# Altium PCB PLC1.PcbDoc (part 2 of 4)
Units mm, origin at the board's own origin, x right, y up, seen from the top; angles counter-clockwise.
Board outline 175 x 81 mm, 2 copper layers (Top Layer, Bottom Layer), stack 1.471 mm thick; 331 components, 300 nets, 1273 pads, 660 vias.
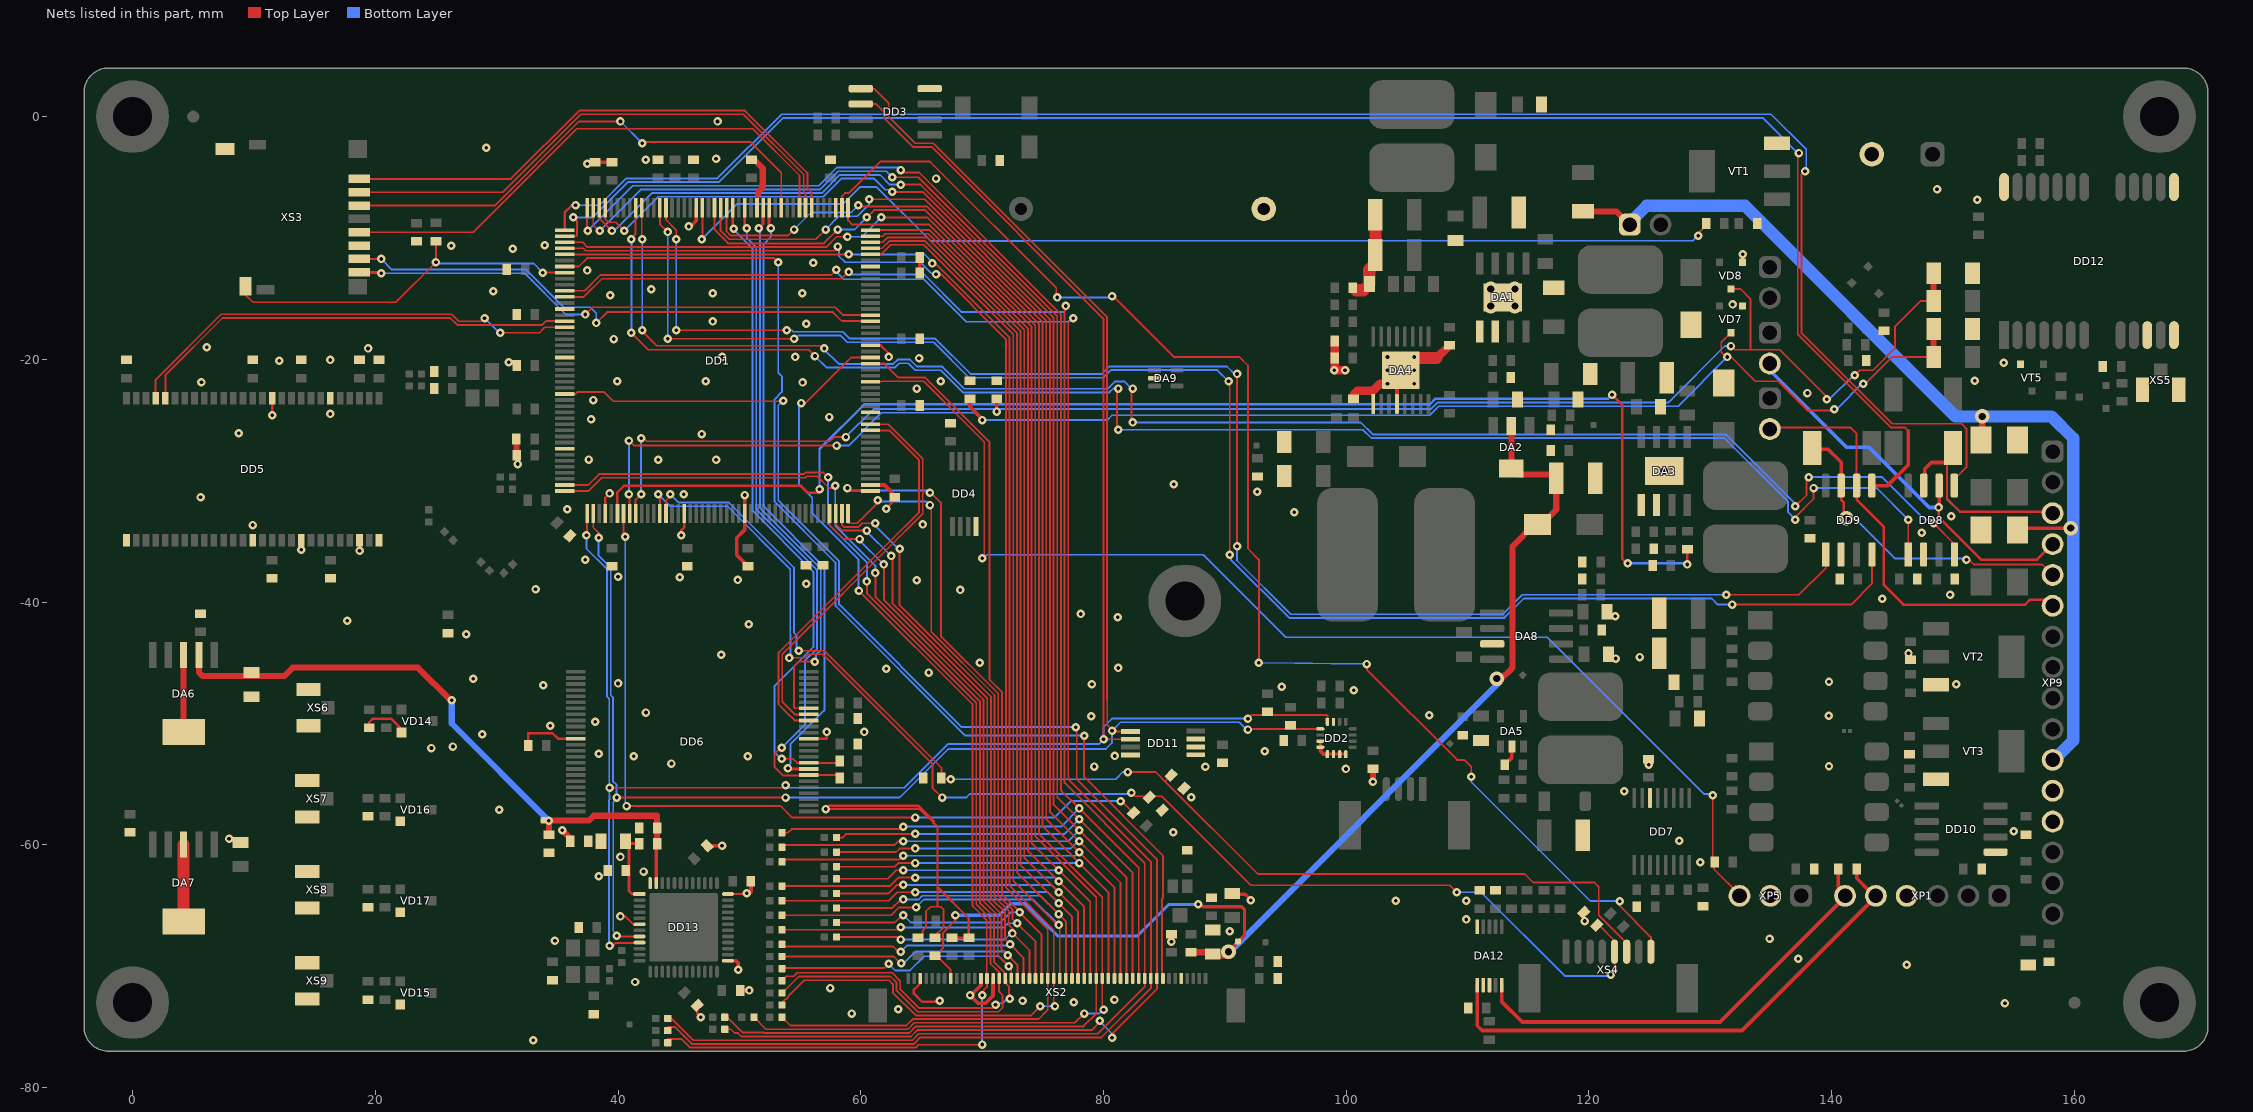
[diagram p2: the nets of this part, all layers, seen from the top]

## Via types
v1: diameter 0.7, hole 0.3, Top Layer to Bottom Layer, tented both sides, 643 vias
v2: diameter 1.2, hole 0.6, Top Layer to Bottom Layer, tented both sides, 16 vias
v3: diameter 0.7, hole 0.3, Top Layer to Bottom Layer, tented top, 1 vias

## Nets (pads, with @x,y where several pads share a name; then routed paths per layer and width w, separated by ;. In a path a pad name is that pad's centre, name@x,y a point inside that pad or via, vN(x,y) a via of type N, cw(c..) or ccw(c..) an arc to the next point about the centre after c; other vN are vias at no path point)
1W_TEMP: DD1.107 R48.2 XP5.3 | length 99.7
  Top Layer w0.15: DD1.107@60.8,-21.85 61.65,-21.85 61.7,-21.8 62.972,-21.8 62.975,-21.802 65.175,-21.802 70.177,-26.805 70.177,-36.323 70,-36.5 v1(70,-36.4) ; R48.2@130.3,-61.6 130.3,-62 132.5,-64.2 132.2,-64.2 XP5.3@132.3,-64.1 ; v1@130.3,-56 v1(130.2,-55.9) 130.2,-61.25 R48.2@130.35,-61.4
  Bottom Layer w0.15: v1(70,-36.4) 70,-36.5 70.4,-36.1 88.2,-36.1 95,-42.9 116.572,-42.9 129.472,-55.8 130.1,-55.8 v1(130.2,-55.9)
+24V: FU1.1 VD10.2 VD12.2 XP8.1 XP9.11 | length 83.2
  Top Layer w0.3: VD12.2@155.3,-34.05 155.45,-33.9 v2(159.7,-33.9)
  Top Layer w0.5: FU1.1@119.5,-7.8 122.26,-7.8 XP8.1@123.36,-8.9 ; VD10.2@152.3,-26.65 152.4,-26.55 v2(152.4,-24.7)
  Bottom Layer w0.5: XP8.1@123.36,-8.9 XP8.1@123.36,-8.74 ; XP9.11@158.2,-53 XP9.11@158.3,-53
  Bottom Layer w1: XP8.1@123.36,-8.74 124.752,-7.348 132.848,-7.348 150.2,-24.7 v2(152.4,-24.7) 158.1,-24.7 159.9,-26.5 159.9,-51.4 XP9.11@158.3,-53
ADC12_IN6: C108.2 DD1.52 R66.1 R69.2 VD7.3 | length 128.4
  Top Layer w0.15: v1(40.9,-31.1) 40.95,-31.15 DD1.52@40.95,-32.7 ; v1(40.9,-26.7) 41.293,-27.093 57.993,-27.093 v1(58,-27.1) ; VD7.3@131.7,-17.8 130.9,-18.6 130.9,-19.4 131.3,-19.8 v1(131.4,-19.8) 131.702,-19.8 133.702,-21.8 135.6,-21.8 138,-24.2 140,-24.2 v1@140.2,-24 ; v1(140.2,-24.1) v1@140.4,-24.1 ; v1(142.6,-22) 142.6,-21.9 142.9,-21.9 145,-19.8 R69.2@148.4,-19.8
  Top Layer w0.3: C108.2@69,-23.25 69,-23.9 70.1,-25 v1(70,-25)
  Top Layer w0.5: R69.2@148.4,-19.8 R66.1@148.4,-17.5
  Bottom Layer w0.15: v1(40.9,-31.1) v1@40.9,-26.8 ; v1(58,-27.1) 59,-27.1 61.7,-24.4 69.4,-24.4 v1(70,-25) 80.3,-25 80.7,-24.6 106.881,-24.6 107.622,-23.86 127.34,-23.86 v1(131.4,-19.8) ; v1(140.2,-24.1) 140.4,-24.1 142.6,-21.9 v1(142.6,-22)
ADC12_IN7: C109.2 DD1.53 R65.1 R67.2 VD8.3 | length 132.4
  Top Layer w0.15: DD1.53@41.45,-32.7 41.45,-31.55 v1(41.9,-31.1) ; v1(41.9,-26.5) 42.102,-26.5 42.352,-26.75 57.45,-26.75 57.8,-26.4 v1(58.777,-26.4) ; v1(131.7,-18.9) 132,-19.2 133.3,-19.2 ; VD8.3@131.7,-14.2 132.5,-14.2 133.3,-15 133.3,-19.2 ; v1(139.6,-23.3) 139.8,-23.3 135.7,-19.2 133.3,-19.2 ; v1(141.9,-21.3) 142.3,-20.9 143.4,-20.9 145.2,-19.1 145.2,-17.3 147.3,-15.2 R67.2@148.4,-15.2
  Top Layer w0.3: v1(71.2,-24.3) C109.2@71.2,-23.25
  Top Layer w0.5: R67.2@148.4,-15.2 R65.1@148.4,-12.9
  Bottom Layer w0.15: v1(41.9,-31.1) v1(41.9,-26.5) ; v1(58.777,-26.4) 58.777,-26.38 61.06,-24.098 69.825,-24.098 69.828,-24.1 106.954,-24.1 107.496,-23.557 126.543,-23.557 131.2,-18.9 v1(131.7,-18.9) ; v1(139.6,-23.3) 139.8,-23.3 141.8,-21.3 v1(141.9,-21.3)
AUD+: DA12.10 R99.2 XP1.6 | length 37.1
  Top Layer w0.3: DA12.10@112.8,-71.55 112.8,-72.9 114.5,-74.6 130.8,-74.6 141.1,-64.3 XP1.6@141.1,-64.2 140.55,-63.65 R99.2@140.55,-62
AUD-: DA12.6 R99.1 XP1.5 | length 43.9
  Top Layer w0.3: DA12.6@110.8,-71.55 110.8,-74.9 111.2,-75.3 132.6,-75.3 143.64,-64.26 143.18,-63.8 143.1,-63.8 142.05,-62.75 R99.1@142.05,-62
AUDIO_OUT: C116.2 DD1.51 | length 67.3
  Top Layer w0.15: DD1.51@40.45,-32.7 40.45,-34.35 v1(40.6,-34.6) ; v1(40.7,-56.8) 53.4,-56.8 54.35,-57.75 v1(64.5,-57.75) ; v1(81.4,-56.4) 81.5,-56.4 C116.2@82.5,-57.4
  Bottom Layer w0.15: v1(40.6,-34.6) 40.6,-56.7 v1(40.7,-56.8) ; v1(64.5,-57.75) 75.95,-57.75 77.3,-56.4 v1(81.4,-56.4)
AVDAD: C64.2 C124.1 DD13.1 L9.1 | length 5.7
  Top Layer w0.254: DD13.1@41.75,-64.05 41.15,-64.05 40.9,-63.8 40.9,-59.9 L9.1@41.75,-59.9
AVDD_DISP: 10,4V.1 C32.2 C34.2 C73.1 DA2.2 DA2.4 R3.1 R17.1 VD5.2 XS2.43 | length 98.3
  Top Layer w0.15: C73.1@66.1,-69.15 66.777,-68.473 66.777,-67.248 67.8,-66.225 v1(67.8,-65.8) ; C73.1@66.2,-69.15 66.25,-69.15 67.4,-70.3 XS2.43@67.4,-71
  Top Layer w0.25: v1(87.8,-64.9) 88,-64.9 88.2,-65.1 91.4,-65.1 91.6,-65.3 91.6,-67.5 v2(90.3,-68.8)
  Top Layer w0.3: C34.2@89,-69.2 90.3,-69.2 v2(90.3,-68.8)
  Top Layer w0.5: R17.1@87.2,-68.85 88.85,-68.85 C34.2@89,-69 ; v2@112.7,-46.4 113.7,-45.4 113.7,-35.4 115.5,-33.6 VD5.2@115.75,-33.6 116.075,-33.6 117.3,-32.375 C32.2@117.3,-29.8 117,-29.5 114.1,-29.5 DA2.4@113.6,-29 DA2.2@113.6,-25.5
  Bottom Layer w0.25: v1(67.8,-65.8) 71.4,-65.8 72.348,-64.852 73.554,-64.852 76.201,-67.499 82.801,-67.499 85.4,-64.9 v1(87.8,-64.9)
  Bottom Layer w0.5: v2@90.4,-68.9 90.4,-68.838 v2@112.538,-46.7
  other v2: 112.4,-46.3
AVDPLL: 1,8VA.1 C57.2 C60.1 C123.1 DA6.2 DD13.47 L9.2 | length 52.7
  Top Layer w0.254: L9.2@43.15,-60 L9.2@43.25,-59.9
  Top Layer w0.3: DD13.47@43.15,-63.15 L9.2@43.15,-60
  Top Layer w0.5: DA6.2@5.47,-44.36 5.47,-45.77 5.8,-46.1 12.5,-46.1 13.2,-45.4 23.5,-45.4 v1@26.2,-48.1 ; C123.1@34.3,-59.15 v1(34.3,-58) 37.6,-58 38,-57.6 43.2,-57.6 L9.2@43.2,-59.9
  Bottom Layer w0.5: v1(26.3,-48.1) 26.3,-50 v1(34.3,-58)
CAN1_CONT: DD1.1 DD8.5 | length 145.5
  Top Layer w0.15: v1(137.8,-4.5) 137.5,-4.8 137.5,-17.8 145,-25.3 150.7,-25.3 151.1,-25.7 151.1,-28.9 150.2,-29.8 DD8.5@150.2,-30.4
  Top Layer w0.2: DD1.1@35.6,-9.35 35.6,-7.9 36.2,-7.3 v1(36.5,-7.3)
  Bottom Layer w0.15: v1(36.5,-7.3) 38.472,-7.3 40.68,-5.093 44.4,-5.093 44.407,-5.086 48.186,-5.086 53.475,0.202 134.998,0.202 137.9,-2.7 v1@137.9,-4.5
CAN1_RX: DD1.167 DD8.4 | length 133.4
  Top Layer w0.15: DD1.167@41.95,-7.5 41.95,-9.95 42.1,-10.1 v1(42,-10.1) ; v1(42,-17.6) 42,-17.7 43.177,-18.877 56.677,-18.877 57,-19.2 v1(57,-19.1) ; v1(82.4,-25.2) 82.3,-25.2 82.3,-22.4 v1(82.4,-22.4) ; v1@138,-29.9 v1@138.1,-29.8 ; v1(138.1,-29.7) v1@138.1,-29.8 ; v1@138.2,-29.8 v1@138.1,-29.8 ; v1(148.4,-33.5) 150.11,-35.21 DD8.4@150.11,-36.075 ; v1(137,-32.1) 137.923,-31.177 137.923,-29.977 v1@138.1,-29.8 ; v1(137,-32.1) 137,-32.2 137.1,-32.1 v1(137,-32.1)
  Bottom Layer w0.15: v1(42,-17.6) v1(42,-10.1) ; v1(57,-19.1) 57,-19.2 58.177,-20.377 62.678,-20.377 63.036,-20.02 64.054,-20.02 64.634,-20.6 66.728,-20.6 68.542,-22.414 80.358,-22.414 80.953,-21.819 81.719,-21.819 82.3,-22.4 v1(82.4,-22.4) ; v1(82.4,-25.2) 101.2,-25.2 102.177,-26.177 131.277,-26.177 137,-31.9 v1(137,-32.1) v1@137.1,-32.2 ; v1(138.1,-29.7) 138.1,-29.8 138,-29.7 144.166,-29.7 147.666,-33.2 148.2,-33.2 148.4,-33.4 v1(148.4,-33.5)
CAN1_TX: DD1.168 DD8.1 | length 131.2
  Top Layer w0.15: v1(41.1,-17.8) 42.5,-19.2 55.7,-19.2 v1(56.225,-19.725) ; v1(41.1,-10.1) 41,-10.1 41.45,-9.65 DD1.168@41.45,-7.5 ; v1@81.1,-22.2 81.1,-25.8 v1(81.2,-25.8) ; v1(137,-33.2) 137,-33 138.5,-31.5 v1(138.5,-30.6) ; DD8.1@146.3,-36.075 v1(146.3,-33.2)
  Bottom Layer w0.15: v1(41.1,-17.8) v1(41.1,-10.1) ; v1(56.225,-19.725) 57.18,-20.68 62.804,-20.68 63.161,-20.323 63.923,-20.323 64.502,-20.902 66.602,-20.902 68.417,-22.717 80.483,-22.717 80.8,-22.4 v1(81.2,-22.4) ; v1(81.2,-25.8) 101.372,-25.8 102.052,-26.48 131.152,-26.48 136.4,-31.728 136.4,-32.6 v1(137,-33.2) ; v1(138.5,-30.6) 143.7,-30.6 v1(146.3,-33.2)
CAN2_CONT: DD1.2 DD9.5 | length 142.4
  Top Layer w0.15: DD1.2@35.6,-9.85 36.55,-9.85 36.627,-9.773 36.627,-8.627 v1(36.3,-8.3) ; v1(137.3,-3) v1@137.3,-3.1 ; v1@137.4,-3.2 v1@137.3,-3.1 ; 146.3,-25.9 146.002,-25.602 144.875,-25.602 137.198,-17.925 137.198,-3.202 v1@137.3,-3.1
  Top Layer w0.3: DD9.5@143.3,-30.4 144.6,-30.4 146.3,-28.7 146.3,-26.9 146.3,-25.9
  Bottom Layer w0.15: v1(36.3,-8.3) 37.9,-8.3 40.805,-5.395 48.305,-5.395 53.6,-0.1 134.3,-0.1 137.3,-3.1 v1(137.3,-3)
CAN2_RX: DD1.163 DD9.1 | length 127.1
  Top Layer w0.15: DD1.163@43.95,-7.5 43.95,-8.503 44.8,-9.353 v1(44.8,-10.1) ; v1(44.8,-17.6) v1(53.9,-17.6) ; v1(91,-35.4) v1(91,-21.2) ; v1(131.3,-39.4) 137.3,-39.4 139.5,-37.2 DD9.1@139.5,-36.075
  Bottom Layer w0.15: v1@44.8,-17.8 v1(44.8,-10.1) ; v1(53.9,-17.6) 54.3,-17.6 54.42,-17.72 58.52,-17.72 59.093,-18.293 66.131,-18.293 69.043,-21.205 79.857,-21.205 80.477,-20.585 90.175,-20.585 v1@90.808,-21.218 ; v1(91,-35.4) 91,-36.572 95.425,-40.998 112.902,-40.998 114.5,-39.4 v1(131.3,-39.4)
CAN2_TX: DD1.164 DD9.4 | length 134.1
  Top Layer w0.15: DD1.164@43.45,-7.5 43.45,-8.85 v1(44.1,-9.5) ; v1@44.3,-18.3 44,-18.3 v1(54.5,-18.3) ; v1(90.3,-21.8) 90.4,-21.9 v1(90.4,-36.1) ; v1(131.8,-40.2) 131.6,-40.2 141.6,-40.2 143.31,-38.49 DD9.4@143.31,-36.075
  Bottom Layer w0.15: v1(44.1,-18.3) 44.3,-18.3 44.1,-18.1 v1(44.1,-9.5) ; v1@54.5,-18.4 v1(54.5,-18.3) ; v1@54.7,-18.2 54.877,-18.023 58.323,-18.023 58.895,-18.595 66.006,-18.595 68.918,-21.507 79.982,-21.507 80.602,-20.887 89.387,-20.887 v1(90.3,-21.8) ; v1@90.5,-35.9 90.5,-36.5 95.3,-41.3 113.028,-41.3 114.625,-39.702 130.1,-39.702 130.598,-40.2 v1(131.8,-40.2)
CANH1: DD8.7 R41.1 XP9.3 | length 17.6
  Top Layer w0.2: R41.1@150,-27.9 149.5,-28.4 149.5,-31.5 150.548,-32.548 158.068,-32.548 XP9.3@158.2,-32.68
  Top Layer w0.3: DD8.7@147.7,-29.675 147.6,-29.575 147.65,-29.525 147.65,-29.05 148.2,-28.5 149.6,-28.5 150,-28.1 150,-27.4 R41.1@150,-27.9
CANH2: DD9.7 R42.1 XP9.5 | length 26.5
  Top Layer w0.15: v1(151.1,-36.5) 151.3,-36.5 151.7,-36.9 157.34,-36.9 XP9.5@158.2,-37.76
  Top Layer w0.2: DD9.7@140.775,-30.4 140.775,-31.575 141,-31.8 v2@141,-33.4
  Top Layer w0.3: R42.1@138.6,-27.4 139.7,-27.4 140.775,-28.475 DD9.7@140.775,-30.4
  Bottom Layer w0.15: v2(141.2,-33.1) 141.9,-33.1 145.2,-36.4 v1@151.1,-36.4
CANL1: DD8.6 XP3.2 XP9.4 | length 34.1
  Top Layer w0.2: v1(148.8,-32.2) 148.8,-33 152.3,-36.5 156.92,-36.5 XP9.4@158.2,-35.22
  Top Layer w0.3: v1@148.85,-32.05 DD8.6@148.85,-30.4 DD8.6@148.85,-29.9
  Bottom Layer w0.3: XP3.2@135.452,-20.452 135.012,-20.452 XP3.2@134.9,-20.34 134.9,-20.906 141.247,-27.253 143.084,-27.253 148.031,-32.2 v1(148.8,-32.2)
CANL2: DD9.6 XP4.2 XP9.6 | length 35.8
  Top Layer w0.15: XP4.2@134.9,-25.74 135.04,-25.6 141.517,-25.6 142.05,-26.133 DD9.6@142.05,-30.4
  Top Layer w0.2: DD9.6@142.05,-30.4 142.05,-31.55 144.3,-33.8 144.3,-38.6 145.9,-40.2 155.948,-40.2 156.35,-39.798 157.698,-39.798 XP9.6@158.2,-40.3
CDMMC1_CK: DD1.141 XS3.5 | length 44.1
  Top Layer w0.15: XS3.5@18.675,-9.525 28.058,-9.525 36.583,-1 51.1,-1 54.95,-4.85 DD1.141@54.95,-7.5
CDMMC1_CMD: DD1.144 XS3.3 | length 42.4
  Top Layer w0.15: XS3.3@18.675,-7.325 29.83,-7.325 36.755,-0.4 v1(40.2,-0.4) ; v1(42,-2.2) 42.1,-2.3 42.3,-2.1 50.917,-2.1 53.45,-4.633 DD1.144@53.45,-7.5
  Bottom Layer w0.15: v1(40.2,-0.4) v1(42,-2.2)
CDMMC1_D0: DD1.117 XS3.7 | length 45.5
  Top Layer w0.15: XS3.7@18.675,-11.725 v1(20.475,-11.725) v1@20.5,-11.7 ; v1(38.2,-17) 39.1,-16.1 57.7,-16.1 58.45,-16.85 DD1.117@60.8,-16.85
  Bottom Layer w0.15: v1(20.475,-11.725) 21.35,-12.6 32.428,-12.6 35.528,-15.7 37.7,-15.7 38.2,-16.2 v1(38.2,-17)
CDMMC1_D1: DD1.118 XS3.8 | length 44.1
  Top Layer w0.15: v1(37.3,-16.3) 37.9,-15.7 57.9,-15.7 58.55,-16.35 DD1.118@60.8,-16.35
  Top Layer w0.254: XS3.8@18.675,-12.825 20.375,-12.825 20.4,-12.8 v1(20.5,-12.9)
  Bottom Layer w0.15: v1(20.5,-12.9) 20.502,-12.902 32.302,-12.902 35.7,-16.3 v1(37.3,-16.3)
CDMMC1_D2: DD1.139 XS3.1 | length 44.4
  Top Layer w0.15: XS3.1@18.675,-5.125 31.175,-5.125 36.8,0.5 50.455,0.5 55.6,-4.645 55.6,-5.9 55.95,-6.25 DD1.139@55.95,-7.5
CDMMC1_D3: DD1.140 XS3.2 | length 44.1
  Top Layer w0.15: XS3.2@18.675,-6.225 30.503,-6.225 36.925,0.198 50.33,0.198 55.298,-4.77 55.298,-6.198 55.45,-6.35 DD1.140@55.45,-7.5
CDMMC1_DETECT: DD1.8 R27.2 XS3.10 | length 30.7
  Top Layer w0.15: XS3.10@9.3,-13.975 9.3,-14.678 9.922,-15.3 21.7,-15.3 v1(25,-12) R27.2@25,-10.475 ; v1(33.8,-12.85) DD1.8@35.6,-12.85
  Bottom Layer w0.15: v1(25,-12) 25.1,-12 25,-12.1 33.05,-12.1 v1(33.8,-12.85)
COL1: C106.2 DD1.57 R59.1 XS4.5 | length 108.8
  Top Layer w0.15: v1(43.3,-31.1) 43.45,-31.25 DD1.57@43.45,-32.7 ; v1(54.1,-44.6) 54.122,-44.577 55.423,-44.577 55.698,-44.302 56.875,-44.302 65.9,-53.328 65.9,-55.3 v1(66.7,-56.1) ; v1(82.3,-55.7) 82.6,-56 84.8,-56 92.123,-63.323 108.523,-63.323 v1(109.1,-63.9) ; R59.1@120.7,-66.2 120.7,-66.561 R59.1@120.63,-66.63 120.83,-66.63 122.1,-67.9 XS4.5@122.1,-68.8 122.1,-70.4 122,-70.5 122,-70.8 121.9,-70.7 v1(121.8,-70.7)
  Bottom Layer w0.15: v1(43.3,-31.1) 44.302,-32.102 49.019,-32.102 54.195,-37.279 54.195,-42.651 54.2,-42.655 54.2,-44.5 v1(54.1,-44.6) ; v1(66.7,-56.1) 68.702,-56.1 69,-55.802 82.198,-55.802 v1(82.3,-55.7) ; v1(109.1,-63.9) 111.1,-63.9 118,-70.8 122,-70.8 121.9,-70.7 v1(121.8,-70.7)
COL2: C107.2 DD1.58 R60.1 XS4.6 | length 103.4
  Top Layer w0.15: DD1.58@43.95,-32.7 43.95,-31.65 v1@44.4,-31.2 ; v1(54.9,-44) v1@54.9,-43.9 ; v1@55.1,-44 57,-44 66.65,-53.65 R60.1@66.65,-54.5 66.75,-54.6 v1@67.3,-54.6 ; v1(82,-54) 84.3,-54 85.1,-54.8 ; C107.2@85.57,-54.27 85.1,-54.739 85.1,-54.8 ; 121.7,-66.7 123.1,-68.1 XS4.6@123.1,-68.8 ; 121.75,-66.75 120.8,-65.8 120.8,-63.45 120.45,-63.1 115.4,-63.1 114.702,-62.402 92.702,-62.402 85.1,-54.8
  Bottom Layer w0.15: v1(44.3,-31.1) 45,-31.8 49.144,-31.8 54.498,-37.153 54.498,-42.525 54.7,-42.728 54.7,-43.8 54.85,-43.95 54.9,-43.9 v1(54.9,-44) ; v1(67.4,-54.6) 81,-54.6 81.6,-54 v1(82,-54)
FMC_ALE: DD1.100 DD6.17 | length 32.9
  Top Layer w0.15: DD6.17@55.7,-49.25 54.552,-49.25 53.522,-48.22 53.522,-44.289 63.725,-34.087 63.74,-34.087 65.11,-32.718 65.11,-28.182 62.277,-25.35 DD1.100@60.8,-25.35
FMC_CLE: DD1.99 DD6.16 | length 33
  Top Layer w0.15: DD6.16@55.7,-49.75 54.55,-49.75 53.9,-49.1 53.22,-48.42 53.22,-44.164 63.6,-33.785 63.615,-33.785 64.807,-32.592 64.807,-28.308 62.35,-25.85 DD1.99@60.8,-25.85
FMC_NCE: DD1.152 DD6.9 R33.2 | length 54.4
  Top Layer w0.15: v1(53.5,-52.9) 54.4,-52.9 54.75,-53.25 DD6.9@55.7,-53.25 58,-53.25 R33.2@58.25,-53
  Top Layer w0.2: v1@49.45,-8.95 DD1.152@49.45,-7.5
  Bottom Layer w0.15: v1@49.525,-9.325 51.083,-10.883 51.083,-32.483 56.1,-37.5 56.1,-43.7 52.9,-46.9 52.9,-52.4 53.4,-52.9 v1(53.5,-52.9)
  other v1: 49.525,-9.225
FMC_NOE: DD1.146 DD6.8 | length 51.5
  Top Layer w0.254: DD1.146@52.45,-7.5 52.45,-9.05 v1(52.6,-9.2) ; v1@54.05,-53.75 DD6.8@55.7,-53.75
  Bottom Layer w0.15: v1(52.6,-9.2) 52.6,-9.9 51.991,-10.509 51.99,-10.507 51.99,-32.107 57.007,-37.124 57.007,-48.92 54.2,-51.728 54.2,-53.3 54.05,-53.45 v1@54.05,-53.75
  other v1: 54,-53.7
FMC_NWAIT: DD1.150 DD6.7 R28.2 | length 55.7
  Top Layer w0.15: v1@50.45,-9.05 v1(50.6,-9.2) ; v1@53.5,-51.9 52.9,-52.5 52.9,-53.6 53.577,-54.277 DD6.7@55.673,-54.277 ; DD6.7@55.7,-54.25 R28.2@58.25,-54.25
  Top Layer w0.2: v1@50.45,-9.05 DD1.150@50.45,-7.5
  Bottom Layer w0.15: v1(50.6,-9.2) 50.6,-9.972 51.386,-10.758 51.386,-32.358 56.402,-37.375 56.402,-43.825 55.4,-44.828 55.4,-50.1 v1(53.5,-52)
FMC_NWE: DD1.147 DD6.18 | length 46.4
  Top Layer w0.15: DD6.18@55.7,-48.75 54.55,-48.75 54.505,-48.705 54.505,-45.295 54.9,-44.9 v1(56.2,-44.9)
  Top Layer w0.254: v1@51.7,-9.3 v1(51.6,-9.2) 51.95,-8.85 DD1.147@51.95,-7.5
  Bottom Layer w0.15: v1(51.6,-9.2) 51.7,-9.2 51.6,-9.3 51.688,-9.388 51.688,-32.233 56.705,-37.249 56.705,-43.951 56.305,-44.351 56.305,-44.695 v1@56.3,-44.7
GND: C1.1 C2.1 C3.1 C4.1 C5.1 C6.1 C7.2 C8.1 C9.2 C10.1 C11.1 C12.1 C13.1 C14.1 C15.2 C16.1 C17.1 C18.2 C19.2 C20.1 C21.2 C22.1 C23.1 C26.2 C27.1 C30.1 C31.1 C32.1 C33.2 C34.1 C35.1 C36.1 C37.2 C39.1 C40.1 C41.1 C42.1 C43.1 C44.1 C45.1 C46.1 C47.1 C48.1 C49.1 C50.1 C51.1 C52.1 C53.1 C54.1 C56.1 C58.1 C61.1 C62.1 C63.1 C65.1 C66.1 C67.1 C68.1 C69.1 C70.1 C71.2 C72.1 C73.2 C74.2 C75.1 C76.2 C77.2 C78.2 C79.2 C80.2 C81.2 C82.1 C83.1 C84.2 C85.2 C86.2 C87.2 C88.1 C89.2 C90.2 C91.1 C92.2 C93.1 C94.2 C95.2 C96.2 C99.2 C100.2 C101.2 C102.2 C103.2 C104.2 C105.2 C106.1 C107.1 C108.1 C109.1 C110.2 C111.2 C112.2 C113.2 C114.2 C115.1 C117.2 C118.1 C119.2 C120.2 C121.2 C122.2 C125.1 C126.1 DA1.1 DA1.2 DA1.9 DA3.1 DA3.2 DA3.9 DA4.9 DA4.12 DA4.17 DA5.2 DA7.3 DA7.6 DA8.3 DA9.2 DA12.5 DA12.7 DA12.8 DD1.14 DD1.22 DD1.37 DD1.48 DD1.61 DD1.71 DD1.90 DD1.102 DD1.113 DD1.126 DD1.135 DD1.148 DD1.158 DD2.3 DD2.7 DD2.8 DD2.9 DD2.10 DD2.11 DD2.12 DD3.4 DD4.4 DD5.6 DD5.12 DD5.28 DD5.41 DD5.46 DD5.52 DD5.54 DD6.13 DD6.36 DD7.14 DD8.2 DD9.2 DD10.5 DD11.4 DD11.5 DD11.6 DD11.7 DD12.10 DD12.12 DD12.13 DD12.24 DD13.25 DD13.36 GB1.1 L10.1 R2.1 R4.2 R9.2 R11.1 R12.2 R14.2 R18.2 R25.2 R39.2 R40.2 R45.2 R52.1 R59.2 R60.2 R61.1 R65.2 R66.2 R68.1 R100.2 VD2.1 VD3.1 VD7.1 VD8.1 VD9.1 VD11.1 VT1.3 VT2.3 VT3.3 VT5.2 XP1.4 XP5.2 XP9.12 XP9.13 XS2.5 XS2.36 XS2.38 XS2.48 XS3.6 XS3.9 XS5.2 | length 131.5
  Top Layer w0.15: v1(57.1,-57.05) 64.85,-57.05 66.325,-58.525 66.325,-63.473 66.325,-65.1 65.75,-65.1 ; C74.2@64.7,-67.65 65.025,-67.65 65.092,-67.583 65.092,-67.081 65.375,-66.797 65.375,-65.475 65.75,-65.1 ; C73.2@66.1,-67.65 66.1,-67.497 66.825,-66.772 66.825,-65.325 66.6,-65.1 65.75,-65.1
  Top Layer w0.2: v1(11.5,-24.6) DD5.12@11.5,-23.2 ; C94.2@32.6,-51.8 32.6,-50.8 34.6,-50.8 35.05,-51.25 DD6.36@36.5,-51.25 ; DD1.48@38.95,-32.7 38.95,-31.4 v1(39.3,-31.05) ; v1@44.95,-34.5 v1(45.2,-34.5) 45.2,-34.1 45.45,-33.85 DD1.61@45.45,-32.7 ; C122.2@46.53,-73.23 46.53,-73.93 v1(46.8,-74.2) ; DD13.36@49.05,-64.05 v1@50.55,-64.05 ; DD6.13@55.7,-51.25 57.15,-51.25 57.2,-51.2 v1(57.2,-50.7) ; 57.354,-56.796 64.75,-56.796 66.025,-58.071 66.025,-58.225 ; DD1.113@60.8,-18.85 61.65,-18.85 62.3,-19.5 v1(62.3,-19.8) ; v1(62.1,-32.3) C20.1@63,-31.4 ; XS2.48@64.925,-70.975 XS2.48@64.9,-71 64.9,-71.413 64.375,-71.938 64.375,-72.252 65.048,-72.925 66.425,-72.925 v1(66.5,-72.85) ; 66.325,-63.473 68.9,-66.048 C58.1@68.9,-67.65 C63.1@67.5,-67.65 ; VD8.1@132.675,-11.975 v1(132.675,-11.325)
  Top Layer w0.25: DD2.8@97.875,-51.95 DD2.7@97.875,-51.45 ; DD2.9@98.45,-52.525 DD2.12@99.95,-52.525
  Top Layer w0.3: v1(13.9,-35.7) DD5.46@13.9,-34.9 ; C23.1@38.1,-3.75 C81.2@39.5,-3.75 ; v1(45.825,-9.05) 45.975,-9.05 46.45,-8.575 DD1.158@46.45,-7.5 ; C121.2@47.33,-60.07 v1(48.57,-60.07) ; DD13.25@49.05,-69.55 49.716,-69.55 49.9,-69.734 v1(49.9,-70.3) ; C120.2@49.85,-72 v1(50.8,-72) ; v1(50.45,-31.175) 50.45,-34.063 50.366,-34.148 50.33,-34.148 49.775,-34.702 49.775,-36.125 C9.2@50.7,-37.05 ; v1(50.6,-64) 50.8,-64 50.95,-63.85 C119.2@50.95,-63 ; C22.1@51,-3.55 C22.1@51.225,-3.55 ; DD1.148@51.45,-7.5 51.45,-6.45 51.575,-6.325 ; DD1.90@60.8,-30.35 61.95,-30.35 C20.1@63,-31.4 ; C76.2@64.85,-12.9 C21.2@64.85,-11.6 ; XS2.38@69.9,-71 69.9,-71.577 69.077,-72.4 v1(69,-72.4) 69.652,-73.052 70.27,-73.052 70.898,-72.425 70.898,-71.002 XS2.36@70.9,-71 ; C72.1@90.6,-64 90.677,-64.077 91.677,-64.077 v1@92.125,-64.525 ; DD2.8@97.875,-51.95 97.875,-52.275 98.125,-52.525 DD2.9@98.45,-52.525 ; DA4.9@102.225,-23.675 102.225,-22.575 ; 102.8,-22 v1(103.4,-22) DA4.17@104.5,-20.9 DA4.17@103.5,-20.9 ; DA4.12@104.175,-23.675 DA4.17@104.175,-22 ; R14.2@113.05,-53.4 113.65,-52.8 DA5.2@113.65,-51.9
  Top Layer w0.5: C80.2@31.65,-28 C7.2@31.65,-26.7 ; v1(35.4,-58.8) 36.05,-59.45 L10.1@36.05,-59.7 ; C22.1@51.225,-3.55 51.925,-4.25 51.925,-5.85 51.575,-6.2 51.575,-6.325 ; v1(102.2,-54.8) C68.1@102.2,-53.75
  Top Layer w0.7: C26.2@99.05,-18.6 99.05,-20.85 v1(99,-20.9) v1(99.9,-20.9) ; C27.1@100.6,-23.25 100.6,-22.9 100.925,-22.575 102.225,-22.575 102.8,-22 ; 107.45,-19.9 C37.2@108.5,-18.85
  Top Layer w1: DA7.6@4.2,-66.31 DA7.3@4.2,-59.96 ; R2.1@100.8,-14.3 101.4,-14.3 C15.2@101.9,-13.8 101.9,-12.6 102.4,-12.1 C2.1@102.4,-8.1 ; DA4.17@105.9,-19.9 107.45,-19.9
  other v1: 33,-76.1 59.25,-73.9 63.1,-73.55 154.275,-73.05 77.55,-72.975 73.325,-72.85 80.9,-72.75 57.475,-71.8 41.4,-71.3 146.175,-69.875 137.25,-69.375 85.6,-67.975 34.8,-67.9 134.875,-67.75 90.4,-67.125 119.65,-66.275 109.9,-66.15 104.075,-64.6 109.875,-64.6 92.125,-64.575 129.175,-61.425 127.425,-59.65 7.95,-59.5 85.75,-58.975 155,-58.875 30.2,-57.1 87.225,-56.075 122.9,-55.575 99.975,-53.75 88.4,-53.575 79.25,-53.55 139.775,-53.525 124.925,-53.4 44.4,-53.3 41.3,-52.7 50.7,-52.7 80.925,-52.675 38.4,-52.5 93.275,-52.275 24.625,-52.025 26.4,-51.9 28.8,-50.9 60.3,-50.7 34.4,-50.2 38.125,-49.85 79,-49.4 139.75,-49.35 106.85,-49.325 42.3,-49.1 100.625,-47.25 94.675,-46.975 33.85,-46.85 79.05,-46.775 150.25,-46.775 40,-46.7 139.775,-46.575 28.075,-46.3 65.6,-45.8 62.1,-45.5 81.2,-45.425 69.8,-45 122.2,-44.65 124.175,-44.525 48.5,-44.325 146.325,-44.225 27.5,-42.65 50.775,-41.825 17.7,-41.55 81.175,-41.25 122.15,-41.15 78.125,-40.975 144.15,-39.725 149.75,-39.4 68.2,-39 33.2,-38.95 55.5,-38.5 64.6,-38.2 49.85,-38.175 45.075,-37.95 40,-37.9 37.3,-36.5 18.7,-35.775 147.425,-34.275 9.9,-33.65 65.1,-33.6 149.85,-32.925 95.725,-32.6 35.8,-32.35 5.6,-31.35 45.425,-31.1 92.675,-30.9 85.8,-30.3 31.725,-28.625 43.325,-28.275 48.075,-28.275 37.6,-28.25 46.9,-26.15 8.75,-26.1 37.775,-24.925 57.4,-24.75 16.3,-24.5 37.95,-23.35 138,-22.775 64.6,-22.4 105.6,-22 55.2,-21.9 5.675,-21.875 39.925,-21.8 47.225,-21.8 66.6,-21.8 151.775,-21.75 103.4,-20.9 105.6,-20.9 154.175,-20.275 31,-20.225 12.1,-20.1 16.3,-20.05 64.8,-19.9 48.6,-19.8 54.6,-19.8 103.4,-19.8 105.6,-19.8 19.4,-19.1 6.1,-19 39.65,-18.325 55.5,-17.05 47.8,-16.875 131.825,-15.475 39.35,-14.725 47.8,-14.55 55.175,-14.55 29.725,-14.375 42.75,-14.225 37.475,-12.675 56.075,-12.05 31.325,-10.875 26.25,-10.65 33.95,-10.6 151.975,-6.85 148.675,-5.975 66.2,-5.1 37.45,-3.875 42.275,-3.55 48.075,-3.475 29.15,-2.575 48.2,-0.4
  other v2: 126.2,-29.2 111.9,-15.6 113.9,-15.6 111.9,-14.2 113.9,-14.2
GNDA: C57.1 C60.2 C64.1 C123.2 C124.2 DA6.3 DA6.6 DD13.6 DD13.48 L10.2 R107.1 R108.2 R109.1 R110.2 VD14.2 VD15.2 VD16.2 VD17.2 XS6.2 XS7.2 XS8.2 XS9.2 | length 12.1
  Top Layer w0.15: v1(40.2,-65.9) 40.6,-65.9 41.25,-66.55 DD13.6@41.775,-66.55
  Top Layer w0.2: R108.2@19.5,-50.35 19.5,-49.9 19.8,-49.6 21.307,-49.6 22.15,-50.443 VD14.2@22.15,-50.75
  Top Layer w0.5: DA6.6@4.2,-50.91 DA6.3@4.2,-44.56
  other v1: 38.4,-62.6 42.1,-62.2 40.2,-61
HEAT_ON: DD1.157 R51.1 | length 89.8
  Top Layer w0.15: v1@46.95,-10.1 DD1.157@46.95,-7.5 ; v1(129,-9.8) 129,-9.6 129.65,-8.95 R51.1@129.65,-8.8
  Bottom Layer w0.15: v1(46.9,-10.1) 49.79,-7.21 58.507,-7.21 59.917,-5.8 61.3,-5.8 65.749,-10.249 73.5,-10.249 128.6,-10.2 v1(129,-9.8)
I2C2_SCL: DD1.45 DD2.4 DD3.6 DD11.2 DD13.9 R21.1 | length 166
  Top Layer w0.15: v1@37.45,-34.35 DD1.45@37.45,-32.7 ; v1(39.3,-68.3) 39.6,-68.3 39.823,-68.077 41.748,-68.077 DD13.9@41.775,-68.05 ; v1(39.3,-55.3) v1@53.8,-55.3 ; DD3.6@60,1.05 61.25,1.05 61.9,0.4 61.9,-0.1 64.298,-2.498 65.853,-2.498 79.993,-16.637 79.993,-48.171 80,-48.178 v1(80,-51.3) DD11.2@82.225,-51.3 ; v1@91.95,-49.55 92.2,-49.3 98.4,-49.3 98.45,-49.35 DD2.4@98.45,-49.875
  Bottom Layer w0.15: v1(37.4,-34.5) 37.4,-35.6 39.098,-37.298 39.098,-47.781 39.277,-47.961 39.277,-55.905 39.298,-55.925 39.298,-56.261 39.268,-56.291 39.268,-68.268 v1(39.3,-68.3) ; v1@53.8,-55.3 63.572,-55.3 67.175,-51.698 79.602,-51.698 v1(80,-51.3) 80,-50.3 80.7,-49.6 v1(91.9,-49.6)
  other v1: 53.8,-55.1
I2C2_SDA: DD1.46 DD2.5 DD3.5 DD11.1 DD13.8 R20.1 | length 163.3
  Top Layer w0.15: DD1.46@37.95,-32.7 37.95,-33.85 38.4,-34.3 v1(38.4,-34.7) ; v1(39.9,-67.5) 39.95,-67.55 DD13.8@41.775,-67.55 ; v1(39.9,-56.1) v1(53.8,-56.1) ; DD3.5@60,2.3 61.1,2.3 62.3,1.1 62.3,-0.017 64.479,-2.195 65.978,-2.195 80.295,-16.512 80.295,-48.046 80.302,-48.053 80.302,-50.102 80.7,-50.5 80.7,-50.65 DD11.1@82.225,-50.65 ; v1@91.85,-50.45 DD2.5@97.685,-50.45
  Bottom Layer w0.15: v1(38.4,-34.7) 38.4,-36.172 39.4,-37.172 39.4,-47.656 39.58,-47.836 39.58,-54.763 39.877,-55.061 39.877,-56.077 v1(39.9,-56.1) 39.6,-56.5 39.6,-67.1 39.9,-67.4 v1(39.9,-67.5) ; v1(53.8,-56.1) 63.2,-56.1 67.2,-52.1 80.2,-52.1 80.7,-51.6 v1@80.7,-50.65 ; v1@80.8,-50.5 81.397,-49.903 91.2,-49.903 91.797,-50.5 v1(91.9,-50.5)
  other v1: 80.7,-50.6
LCD_B0: DD1.3 R91.2 XS2.19 | length 134.4
  Top Layer w0.15: DD1.3@35.6,-10.35 37.078,-10.35 37.473,-10.745 57.155,-10.745 58,-9.9 v1(58.9,-9.9) ; 48.7,-73.9 50.25,-75.45 52.025,-75.45 52.065,-75.49 64.013,-75.49 64.542,-74.962 78.338,-74.962 79.4,-73.9 XS2.19@79.4,-71 79.4,-64.3 74.376,-59.276 74.376,-17.193 65.483,-8.3 v1(61.7,-8.3)
  Bottom Layer w0.15: v1(58.9,-9.9) 60.1,-9.9 v1(61.7,-8.3)
LCD_B1: DD1.155 R92.2 XS2.18 | length 122.8
  Top Layer w0.15: DD1.155@47.95,-7.5 47.95,-9.322 49.071,-10.443 56.957,-10.443 v1(58.1,-9.3) ; R92.2@51.1,-74 51.1,-74.098 52.19,-75.188 63.888,-75.188 64.416,-74.66 77.64,-74.66 v1(78.4,-73.9) ; v1(60.5,-8.3) 61.098,-7.702 65.313,-7.702 74.678,-17.068 74.678,-59.078 79.9,-64.3 XS2.18@79.9,-71 79.9,-73.5 v1(80,-73.6)
  Bottom Layer w0.15: v1(58.1,-9.3) 59.5,-9.3 v1(60.5,-8.3) ; v1(78.4,-73.9) 79.6,-73.9 v1@79.9,-73.6
LCD_B2: DD1.153 R93.2 XS2.17 | length 109.9
  Top Layer w0.15: DD1.153@48.95,-7.5 48.948,-7.502 48.948,-9.464 49.286,-9.802 53.998,-9.802 v1(54.5,-9.3) ; R93.2@58,-61.8 62.8,-61.8 63.098,-61.502 64.498,-61.502 v1(64.5,-61.5) ; v1(59.8,-7.3) 59.8,-7.2 60,-7.4 65.438,-7.4 74.981,-16.943 74.981,-58.481 80.4,-63.9 XS2.17@80.4,-71
  Bottom Layer w0.15: v1(54.5,-9.3) 55.9,-7.9 59.2,-7.9 v1@59.9,-7.2 ; v1(64.5,-61.5) v1(78,-61.5)
LCD_B3: DD1.154 R94.2 XS2.16 | length 115.6
  Top Layer w0.15: DD1.154@48.45,-7.5 48.45,-9.394 49.161,-10.105 56.295,-10.105 v1(57.1,-9.3) ; R94.2@53.7,-61.2 63.2,-61.2 v1(63.5,-60.9) ; v1(60.7,-6.8) 65.265,-6.8 75.283,-16.818 75.283,-57.883 80.9,-63.5 XS2.16@80.9,-71
  Bottom Layer w0.15: v1(57.1,-9.3) 58.198,-8.202 59.714,-8.202 60.7,-7.217 v1@60.7,-7 ; v1(63.5,-60.9) 77.7,-60.9 v1(78,-60.6)
LCD_B4: DD1.173 R95.2 XS2.15 | length 121.7
  Top Layer w0.15: DD1.173@38.95,-7.5 38.95,-8.45 39.2,-8.7 39.8,-8.7 v1(40.5,-9.4) ; R95.2@58,-60.6 62.9,-60.6 63.198,-60.302 64.498,-60.302 v1(64.5,-60.3) ; v1(62.6,-6.2) 65.093,-6.2 75.586,-16.692 75.586,-57.286 81.4,-63.1 XS2.15@81.4,-71
  Bottom Layer w0.15: v1(40.5,-9.4) 43.295,-6.605 56.895,-6.605 58.4,-5.1 61.1,-5.1 62.028,-6.028 62.428,-6.028 v1(62.6,-6.2) ; v1(64.5,-60.3) 77.3,-60.3 77.9,-59.7 v1(78,-59.7)
LCD_B5: DD1.174 R96.2 XS2.14 | length 127.8
  Top Layer w0.15: DD1.174@38.45,-7.5 38.45,-8.378 v1@39.486,-9.414 ; v1(39.5,-9.4) v1@39.7,-9.4 ; R96.2@53.6,-60 62.8,-60 63.1,-59.7 v1(63.5,-59.7) ; v1(63.3,-5.6) 64.921,-5.6 75.888,-16.567 75.888,-56.688 81.9,-62.7 XS2.14@81.9,-71
  Bottom Layer w0.15: v1(39.5,-9.4) 39.7,-9.4 39.6,-9.5 39.6,-9.483 42.781,-6.302 56.77,-6.302 58.275,-4.798 61.581,-4.798 62.383,-5.6 v1(63.3,-5.6) ; v1(63.5,-59.7) 77.1,-59.7 v1(78,-58.8)
LCD_B6: DD1.175 R97.2 XS2.13 | length 124.7
  Top Layer w0.15: DD1.175@37.95,-7.5 37.95,-8.95 38.5,-9.5 v1(38.5,-9.4) ; R97.2@58,-59.4 58.5,-59.4 58.8,-59.1 v1(64.5,-59.1) ; v1(62.6,-5) 64.748,-5 76.19,-16.442 76.19,-56.09 82.4,-62.3 82.4,-66.1 XS2.13@82.4,-71
  Bottom Layer w0.15: v1(38.5,-9.4) 41.9,-6 56.645,-6 58.149,-4.495 62.095,-4.495 v1(62.6,-5) ; v1(64.5,-59.1) 76.8,-59.1 v1(78,-57.9)
LCD_B7: DD1.176 R98.2 XS2.12 | length 130.8
  Top Layer w0.15: DD1.176@37.45,-7.5 37.45,-9.35 v1(37.5,-9.4) ; R98.2@53.5,-59 54,-59 54.3,-58.7 63.3,-58.7 v1(63.5,-58.5) ; v1(63.3,-4.4) 63.5,-4.6 64.8,-4.6 76.493,-16.293 76.493,-55.493 v1(78,-57) 82.9,-61.9 XS2.12@82.9,-71
  Bottom Layer w0.15: v1(37.5,-9.4) 41.202,-5.698 56.519,-5.698 58.024,-4.193 63.1,-4.193 v1@63.3,-4.393 ; v1(63.5,-58.5) 76.5,-58.5 v1(78,-57)
LCD_CLK: DD1.111 R101.2 XS2.37 | length 93.4
  Top Layer w0.15: 44.1,-76 44.11,-76.01 45.254,-76.01 45.945,-76.7 64.514,-76.7 64.739,-76.475 v1@70,-76.475 ; v1(55.1,-23.6) 55.264,-23.764 55.697,-23.33 58.748,-20.28 58.764,-20.28 59.194,-19.85 DD1.111@60.8,-19.85 ; v1(59.85,-39.05) 69.205,-48.405 69.205,-65.026 70.376,-66.197 70.376,-70.976 XS2.37@70.4,-71 70.4,-71.7 70,-72.1 v1@70,-72.3 ; v1@70,-76.5 v1(70,-76.45)
  Bottom Layer w0.15: v1(55.1,-23.6) 54.9,-23.8 54.9,-30.283 56,-31.383 56,-32.683 59.8,-36.483 59.8,-39 v1(59.85,-39.05) ; v1@69.9,-72.2 70,-72.3 v1@70,-76.5
  other v1: 70,-72.4
LCD_DE: DD1.28 R104.2 XS2.9 | length 125
  Top Layer w0.15: DD1.28@35.6,-22.85 36.5,-22.85 36.65,-22.7 38.85,-22.7 39.605,-23.455 53.545,-23.455 v1(53.6,-23.4) ; R104.2@48.7,-75 48.9,-75.2 49.307,-75.2 49.61,-75.502 49.875,-75.502 50.165,-75.793 64.139,-75.793 64.667,-75.264 79.036,-75.264 v1@79.75,-74.55 ; v1(77.7,-50.3) 77.8,-50.2 77.8,-54.605 84.398,-61.202 84.398,-70.998 XS2.9@84.4,-71 84.4,-71.9 v1@80.489,-75.811
  Bottom Layer w0.15: v1@53.7,-23.4 v1(53.6,-23.4) 53.2,-23.8 53.2,-31.606 58.217,-36.623 58.217,-40.189 68.328,-50.3 v1(77.7,-50.3) ; v1(79.7,-74.5) 79.7,-74.55 80.7,-75.55 v1(80.7,-75.9)
LCD_G0: DD1.4 R83.2 XS2.27 | length 120.2
  Top Layer w0.15: DD1.4@35.6,-10.85 37.15,-10.85 37.348,-11.048 57.852,-11.048 58.2,-10.7 v1(58.1,-10.7) ; R83.2@53.5,-74 R83.2@53.5,-74.2 54.186,-74.886 63.763,-74.886 64.291,-74.357 74.643,-74.357 75.4,-73.6 XS2.27@75.4,-71 75.398,-70.998 75.398,-66.948 71.957,-63.507 71.957,-18.344 66.613,-13 v1@66.4,-13
  Bottom Layer w0.15: v1(58.1,-10.7) 58.2,-10.7 58.2,-11.483 58.717,-12 64.9,-12 65.8,-12.9 66.4,-12.9 66.3,-13 v1(66.2,-13)
LCD_G1: DD1.5 R84.2 XS2.26 | length 121.5
  Top Layer w0.15: DD1.5@35.6,-11.35 v1(59,-11.35) ; R84.2@53.5,-73 53.773,-72.727 53.859,-72.727 54.027,-72.559 54.027,-72.473 55.35,-71.15 62.325,-71.15 62.65,-71.475 62.65,-72.175 64.53,-74.055 74.045,-74.055 v1(74.8,-73.3) ; v1@65.8,-12 66.04,-12 72.259,-18.219 72.259,-63.376 75.9,-67.017 XS2.26@75.9,-71 75.9,-73.2 v1(76,-73.3)
  Bottom Layer w0.15: v1(59,-11.35) 65.25,-11.35 65.9,-12 v1@65.8,-12 ; v1(74.8,-73.3) v1@75.9,-73.3
  other v1: 65.9,-12.1
LCD_G2: DD1.128 R85.2 XS2.25 | length 94
  Top Layer w0.15: R85.2@53.5,-65.8 62.5,-65.8 63.15,-65.15 v1(64.55,-65.15) ; DD1.128@60.8,-11.35 61.678,-11.35 62.468,-10.56 65.176,-10.56 72.562,-17.945 72.562,-62.962 76.4,-66.8 XS2.25@76.4,-71
  Bottom Layer w0.15: v1(64.55,-65.15) 65.2,-64.5 74.2,-64.5 v1(76.3,-66.6)
LCD_G3: DD1.129 R86.2 XS2.24 | length 89.7
  Top Layer w0.15: R86.2@58,-65.2 62.6,-65.2 63.2,-64.6 63.5,-64.6 v1(63.5,-64.5) ; DD1.129@60.8,-10.85 61.75,-10.85 62.343,-10.257 65.301,-10.257 72.864,-17.82 72.864,-62.264 76.9,-66.3 XS2.24@76.9,-71
  Bottom Layer w0.15: v1(63.5,-64.5) 64.772,-64.5 65.075,-64.198 74.798,-64.198 v1(76.3,-65.7)
LCD_G4: DD1.130 R87.2 XS2.23 | length 94.3
  Top Layer w0.15: R87.2@53.5,-64.6 62.3,-64.6 63,-63.9 v1(64.5,-63.9) ; DD1.130@60.8,-10.35 61.822,-10.35 62.218,-9.955 65.427,-9.955 73.166,-17.695 73.166,-61.666 v1(76.3,-64.8) 77.4,-65.9 XS2.23@77.4,-71
  Bottom Layer w0.15: v1(64.5,-63.9) 64.505,-63.895 75.395,-63.895 v1(76.3,-64.8)
LCD_G5: DD1.131 R88.2 XS2.22 | length 90.1
  Top Layer w0.15: R88.2@58,-64 62.3,-64 63,-63.3 v1(63.5,-63.3) ; DD1.131@60.8,-9.85 61.802,-9.85 62,-9.652 65.552,-9.652 73.469,-17.569 73.469,-61.069 77.9,-65.5 XS2.22@77.9,-71
  Bottom Layer w0.15: v1(63.5,-63.3) 75.7,-63.3 v1(76.3,-63.9)
LCD_G6: DD1.132 R89.2 XS2.21 | length 95
  Top Layer w0.15: R89.2@53.5,-63.4 62.4,-63.4 63.1,-62.7 v1(64.5,-62.7) ; DD1.132@60.8,-9.35 65.677,-9.35 73.771,-17.444 73.771,-60.471 v1(76.3,-63) 78.4,-65.1 XS2.21@78.4,-71
  Bottom Layer w0.15: v1(64.5,-62.7) 76,-62.7 v1(76.3,-63)
LCD_G7: DD1.133 R90.2 XS2.20 | length 94.1
  Top Layer w0.15: R90.2@58,-62.8 62.228,-62.8 62.928,-62.1 v1(63.5,-62.1) ; DD1.133@58.95,-7.5 58.95,-8.55 59.3,-8.9 65.655,-8.9 74.074,-17.319 74.074,-59.874 v1(76.3,-62.1) 78.9,-64.7 XS2.20@78.9,-71
  Bottom Layer w0.15: v1(63.5,-62.1) v1(76.3,-62.1)
LCD_HSYNC: DD1.12 R103.2 XS2.11 | length 144.9
  Top Layer w0.15: DD1.12@35.6,-14.85 37.178,-14.85 38.675,-13.352 58.398,-13.352 58.748,-13.002 59,-13.002 v1(59,-12.8) ; R103.2@44.1,-74.3 44.4,-74.3 46.195,-76.095 64.264,-76.095 64.792,-75.567 79.533,-75.567 83.4,-71.7 XS2.11@83.4,-71 83.4,-61.5 76.795,-54.895 76.795,-16.877 76.798,-16.875 76.798,-16.002 76.9,-15.9 v1(76.9,-15.6)
  Bottom Layer w0.15: v1(59,-12.8) 59,-13 65.211,-13 68.311,-16.1 76.7,-16.1 76.9,-15.9 v1(76.9,-15.6)
LCD_LUM: DD1.50 R7.1 | length 110.9
  Top Layer w0.2: DD1.50@39.95,-32.7 39.95,-30.95 40.473,-30.427 55.079,-30.427 55.652,-31 56.5,-31 v1@56.7,-30.8 ; v1(121.9,-22.9) 122.727,-23.727 122.727,-36.427 123.1,-36.8 123.1,-36.9 123,-36.8 v1(123.2,-36.8) ; v1(128.1,-36.9) R7.1@128.1,-35.65
  Bottom Layer w0.2: v1@56.6,-30.9 56.6,-27.391 60.293,-23.698 106.893,-23.698 107.361,-23.23 121.57,-23.23 v1(121.9,-22.9) ; v1(56.6,-30.7) v1@56.7,-30.8 ; v1(123.2,-36.8) 128,-36.8 v1(128.1,-36.9)
LCD_MODE: DD1.7 XS2.8 | length 96.5
  Top Layer w0.15: DD1.7@35.6,-12.35 36.75,-12.35 37.448,-11.652 52.852,-11.652 v1(53.2,-12) ; v1(78.4,-51) 78.4,-54.4 84.9,-60.9 84.9,-64.383 84.822,-64.461 84.822,-70.922 XS2.8@84.9,-71
  Bottom Layer w0.15: v1(53.2,-12) 53.2,-21.1 53.5,-21.4 53.5,-22.683 52.898,-23.286 52.898,-31.732 57.914,-36.748 57.914,-40.314 68.6,-51 v1(78.4,-51)
LCD_R0: DD1.43 R75.2 XS2.35 | length 92.3
  Top Layer w0.15: DD1.43@35.6,-30.35 37.55,-30.35 38.443,-29.457 55.298,-29.457 55.435,-29.32 56.92,-29.32 v1(57.3,-29.7) ; R75.2@53.5,-72 53.75,-72 54.902,-70.848 62.45,-70.848 62.952,-71.35 62.952,-72.005 64.7,-73.752 71.348,-73.752 71.677,-73.423 71.677,-72.377 71.4,-72.1 XS2.35@71.4,-71 71.4,-70.5 70.678,-69.778 70.678,-66.072 69.507,-64.901 69.507,-48.28 60.5,-39.272 v1(60.5,-38.3)
  Bottom Layer w0.15: v1(57.3,-29.7) 57.3,-33.528 60.5,-36.728 v1(60.5,-38.3)
LCD_R1: DD1.44 R76.2 XS2.34 | length 94.1
  Top Layer w0.15: DD1.44@35.6,-30.85 37.552,-30.85 38.643,-29.76 55.424,-29.76 55.561,-29.623 56.406,-29.623 57.383,-30.6 57.9,-30.6 57.8,-30.5 57.8,-30.4 v1(57.9,-30.4) ; R76.2@53.5,-71.2 53.875,-70.825 54.472,-70.825 54.752,-70.545 62.576,-70.545 63.255,-71.224 63.255,-71.88 64.825,-73.45 70.825,-73.45 71.038,-73.237 v1@71.038,-72.937 ; v1(61.2,-37.6) 61.2,-39.544 69.81,-48.154 69.81,-64.776 70.981,-65.947 70.981,-69.653 ; 70.988,-69.66 71.9,-70.572 XS2.34@71.9,-71 72.023,-71.123 72.023,-71.5 72.225,-71.703 72.225,-72.482 72.004,-72.704 72.246,-72.704 v1(72.275,-72.675)
  Bottom Layer w0.15: v1(57.9,-30.4) 57.8,-30.4 57.8,-30.5 57.9,-30.6 57.9,-33.7 61.2,-37 v1(61.2,-37.6) ; v1(71.1,-73.175) 70.9,-73.175 70.85,-73.125 70.853,-73.122 70.853,-73.103 70.8,-73.05 71.682,-73.05 72.057,-72.675 v1(72.275,-72.675)
LCD_R2: DD1.85 R77.2 XS2.33 | length 65.1
  Top Layer w0.15: R77.2@53.5,-70.2 53.552,-70.148 61.952,-70.148 v1(62.3,-69.8) ; DD1.85@57.45,-32.7 57.45,-33.65 58.6,-34.8 59.795,-34.8 v1@59.895,-34.9 ; v1(61.9,-36.9) 61.9,-39.817 70.112,-48.029 70.112,-64.65 71.283,-65.821 71.283,-69.108 72.4,-70.225 XS2.33@72.4,-71
  Bottom Layer w0.15: v1@59.8,-34.9 v1(59.9,-34.8) ; v1@59.85,-34.85 v1(61.9,-36.9) ; v1@62.45,-69.95 62.85,-70.35 64.05,-70.35 65.225,-69.175 71.375,-69.175 71.523,-69.323 71.523,-69.339 72.183,-70 v1(72.2,-70)
LCD_R3: DD1.86 R78.2 XS2.32 | length 65.8
  Top Layer w0.15: R78.2@53.5,-69.2 62.7,-69.2 63.3,-69.8 v1@63.5,-69.8 ; DD1.86@57.95,-32.7 57.95,-33.578 58.477,-34.105 60.495,-34.105 v1(60.5,-34.1) ; v1@62.5,-36.3 62.592,-36.208 62.6,-36.217 62.6,-40.089 70.414,-47.904 70.414,-64.525 71.586,-65.696 71.586,-68.586 71.95,-68.95 72.15,-68.95 72.29,-69.09 72.29,-69.274 72.9,-69.883 72.9,-70.211 XS2.32@72.9,-71
  Bottom Layer w0.15: v1(60.5,-34.1) 60.4,-34.2 60.5,-34.2 v1(62.5,-36.2) ; v1(63.325,-69.75) 63.325,-69.775 63.3,-69.8 63.5,-69.8 64.502,-68.798 71.4,-68.798 71.403,-68.8 71.875,-68.8 v1@72.138,-69.063 ; v1(72.1,-69.1) v1@72.1,-69.025
LCD_R4: DD1.87 R79.2 XS2.31 | length 66.6
  Top Layer w0.15: R79.2@53.5,-68.2 53.677,-68.377 62.677,-68.377 63.1,-68.8 v1(63.3,-68.8) ; DD1.87@58.45,-32.7 58.45,-33.65 58.602,-33.802 59.825,-33.802 60.128,-33.5 v1(61.2,-33.5) v1@61,-33.5 ; v1@63.2,-35.6 63.2,-40.262 70.717,-47.779 70.717,-64.4 71.888,-65.571 71.888,-67.788 v1(72.3,-68.2) 73.4,-69.3 73.4,-70.283 XS2.31@73.4,-71
  Bottom Layer w0.15: v1@61,-33.5 63.1,-35.6 v1(63.2,-35.6) ; v1(63.3,-68.8) 63.8,-68.3 72,-68.3 v1@72.3,-68 ; v1(72.3,-68.2) v1@72.3,-68 ; v1@72.3,-68.19 v1@72.3,-68
LCD_R5: DD1.88 R80.2 XS2.30 | length 66.5
  Top Layer w0.15: R80.2@58,-67.6 63.3,-67.6 63.5,-67.8 v1(63.3,-67.8) ; DD1.88@58.95,-32.7 58.95,-33.5 59.7,-33.5 61.6,-31.6 61.6,-31.7 61.5,-31.6 v1(61.4,-31.6) ; v1(65.7,-32) 65.8,-32.1 65.8,-42.434 71.019,-47.653 71.019,-64.275 72.19,-65.446 72.19,-66.59 72.5,-66.9 v1(72.5,-67.3) 73.9,-68.7 73.9,-70.355 XS2.30@73.9,-71
  Bottom Layer w0.15: v1(61.4,-31.6) 61.5,-31.7 65.4,-31.7 v1(65.7,-32) v1@65.7,-31.8 ; v1@63.6,-67.8 71.883,-67.8 72.383,-67.3 v1(72.5,-67.3)
LCD_R6: DD1.89 R81.2 XS2.29 | length 72.7
  Top Layer w0.15: R81.2@53.5,-67 63.3,-67 63.5,-66.8 v1(63.3,-66.8) ; v1@58.9,-30.8 58.95,-30.85 DD1.89@60.8,-30.85 ; v1(65.7,-31) 65.7,-30.9 66.6,-31.8 66.6,-42.806 71.322,-47.528 71.322,-64.149 72.493,-65.32 72.493,-66.093 72.861,-66.461 v1(72.877,-66.461) 73.282,-66.866 73.282,-66.882 74.4,-68 74.4,-70.428 XS2.29@74.4,-71
  Bottom Layer w0.15: v1@58.95,-30.85 59,-30.8 65.7,-30.8 v1(65.7,-31) ; v1(63.3,-66.8) 71.8,-66.8 72.139,-66.461 v1(72.877,-66.461)
  other v1: 58.9,-30.6
LCD_R7: DD1.110 R82.2 XS2.28 | length 74.6
  Top Layer w0.15: R82.2@58,-66.4 62.8,-66.4 63.4,-65.8 v1(63.5,-65.8) ; DD1.110@60.8,-20.35 61.95,-20.35 63.1,-21.5 65.3,-21.5 70.6,-26.8 70.6,-46.379 71.624,-47.403 71.624,-64.024 72.695,-65.095 73.2,-65.6 v1@73.3,-65.6 ; v1@73.075,-65.542 v1@73.075,-65.525 ; v1(73.08,-65.547) 73.08,-65.58 74.9,-67.4 XS2.28@74.9,-71
  Bottom Layer w0.15: v1(63.5,-65.8) 64.1,-66.4 71.5,-66.4 72.353,-65.547 v1(73.08,-65.547)
LCD_VSYNC: DD1.11 R102.2 XS2.10 | length 145.5
  Top Layer w0.15: DD1.11@35.6,-14.35 37.25,-14.35 38.55,-13.05 57.55,-13.05 v1@58.05,-12.55 ; 44.1,-75 44.672,-75 46.07,-76.398 64.389,-76.398 64.917,-75.869 79.831,-75.869 83.9,-71.8 83.9,-61.4 77.098,-54.598 77.098,-17.002 77.4,-16.7 77.4,-16.5 v1(77.5,-16.6)
  Bottom Layer w0.15: v1@57.9,-12.7 58.6,-13.4 65.183,-13.4 68.681,-16.898 77.102,-16.898 77.4,-16.6 77.4,-16.5 v1(77.5,-16.6)
  other v1: 57.975,-12.625
LEDK: DD1.134 XS4.8 | length 112.2
  Top Layer w0.15: DD1.134@58.45,-7.5 58.45,-6.55 58.7,-6.3 59,-6.3 61.598,-3.702 65.702,-3.702 76.1,-14.1 76.1,-14.9 v1(76.2,-14.9) ; v1@80.6,-14.8 80.8,-14.8 85.798,-19.798 91.198,-19.798 91.902,-20.502 91.902,-35.602 92.8,-36.5 v1(92.8,-45) ; v1(101.7,-45.1) 101.7,-45.572 109.128,-53 109.725,-53 110.3,-53.575 v1(110.3,-54.4) ; v1@122.675,-64.825 122.525,-64.975 122.525,-65.025 125.1,-67.6 XS4.8@125.1,-68.8
  Bottom Layer w0.15: v1(76.2,-14.9) 80.5,-14.9 80.6,-14.8 v1(80.7,-14.8) ; v1(92.8,-45) v1(101.7,-45.1) ; v1(110.3,-54.4) 110.3,-54.822 120.103,-64.625 v1@122.77,-64.625
  other v1: 122.525,-64.65
MEM_A0: DD1.16 DD5.23 | length 37.1
  Top Layer w0.15: DD5.23@2.7,-23.2 2.7,-21.3 7.412,-16.588 26.188,-16.588 26.777,-17.177 33.723,-17.177 34.05,-16.85 DD1.16@35.6,-16.85
MEM_A1: DD1.17 DD5.24 | length 39
  Top Layer w0.15: DD5.24@1.9,-23.2 1.9,-21.672 7.287,-16.286 26.313,-16.286 26.88,-16.852 28.748,-16.852 v1(29,-16.6) ; v1(30.3,-17.8) 30.4,-17.8 30.493,-17.893 30.507,-17.893 30.6,-17.8 33.528,-17.8 33.978,-17.35 DD1.17@35.6,-17.35
  Bottom Layer w0.15: v1(29,-16.6) 30.3,-17.9 30.5,-17.9 30.4,-17.8 v1(30.3,-17.8)